# Altium PCB as_x31.PcbDoc (part 1 of 4)
Units mm, origin at the board's own origin, x right, y up, seen from the top; angles counter-clockwise.
Board outline 130 x 100 mm, 6 copper layers (Top Layer, Ground_1, int_1, int_2, Power, Bottom Layer), stack 1.49 mm thick; 411 components, 383 nets, 2547 pads, 1038 vias.
Unrouted connection lines stored in the file: 439.
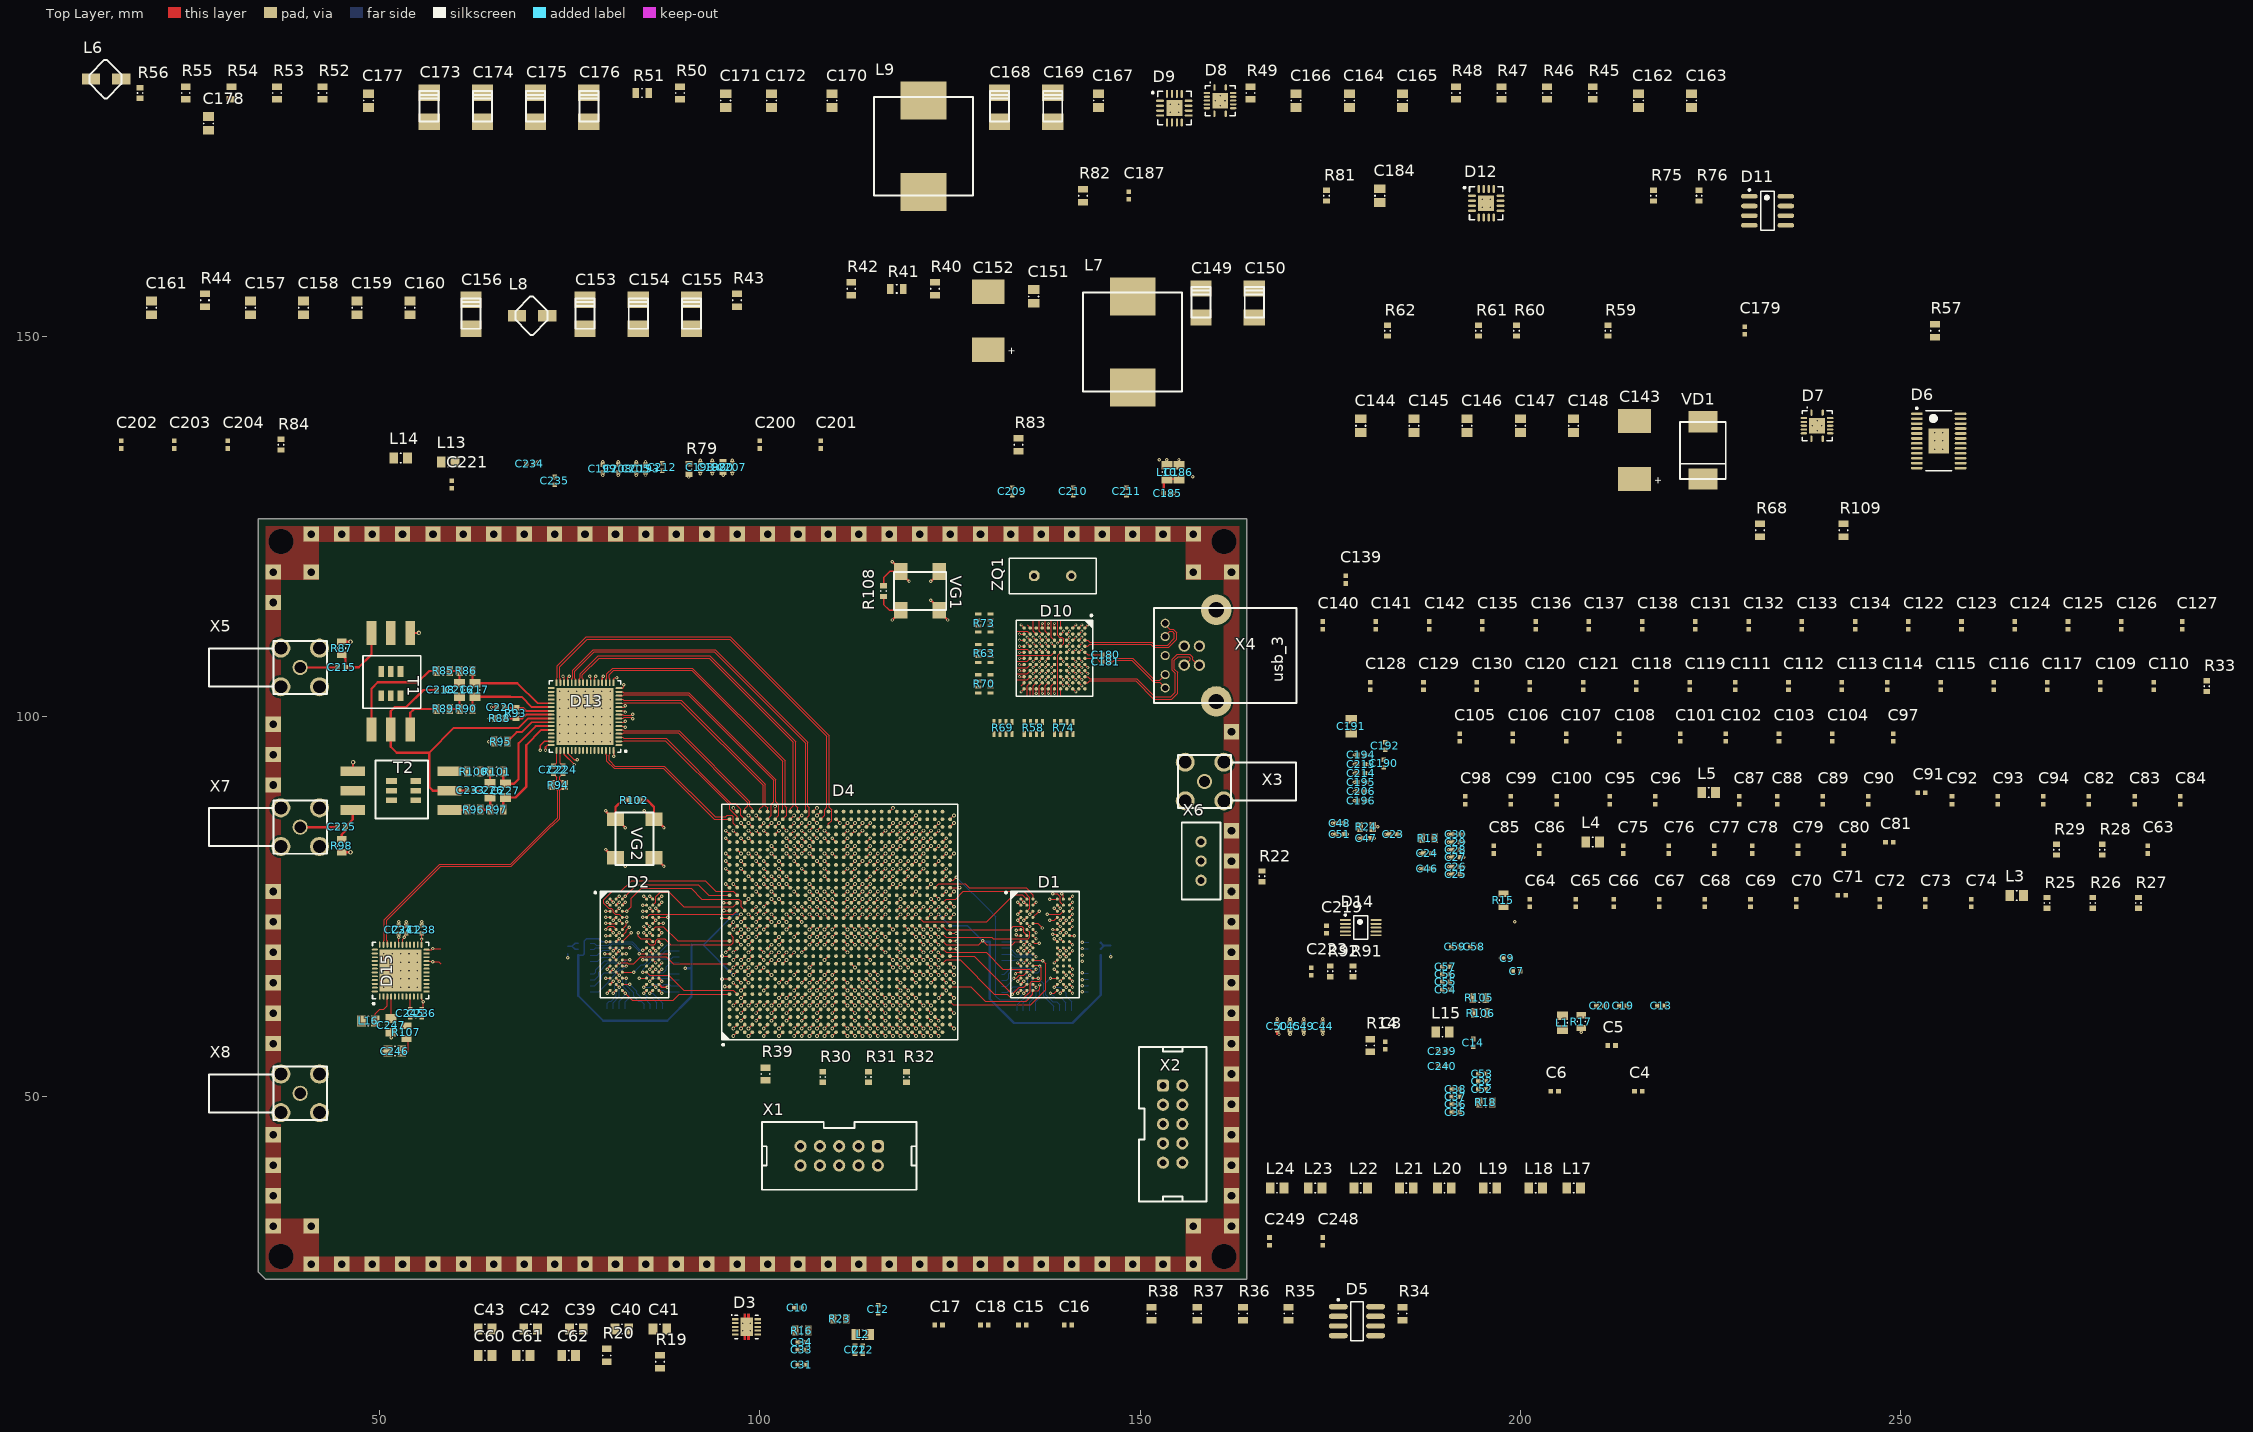
[diagram p0: Top Layer view]
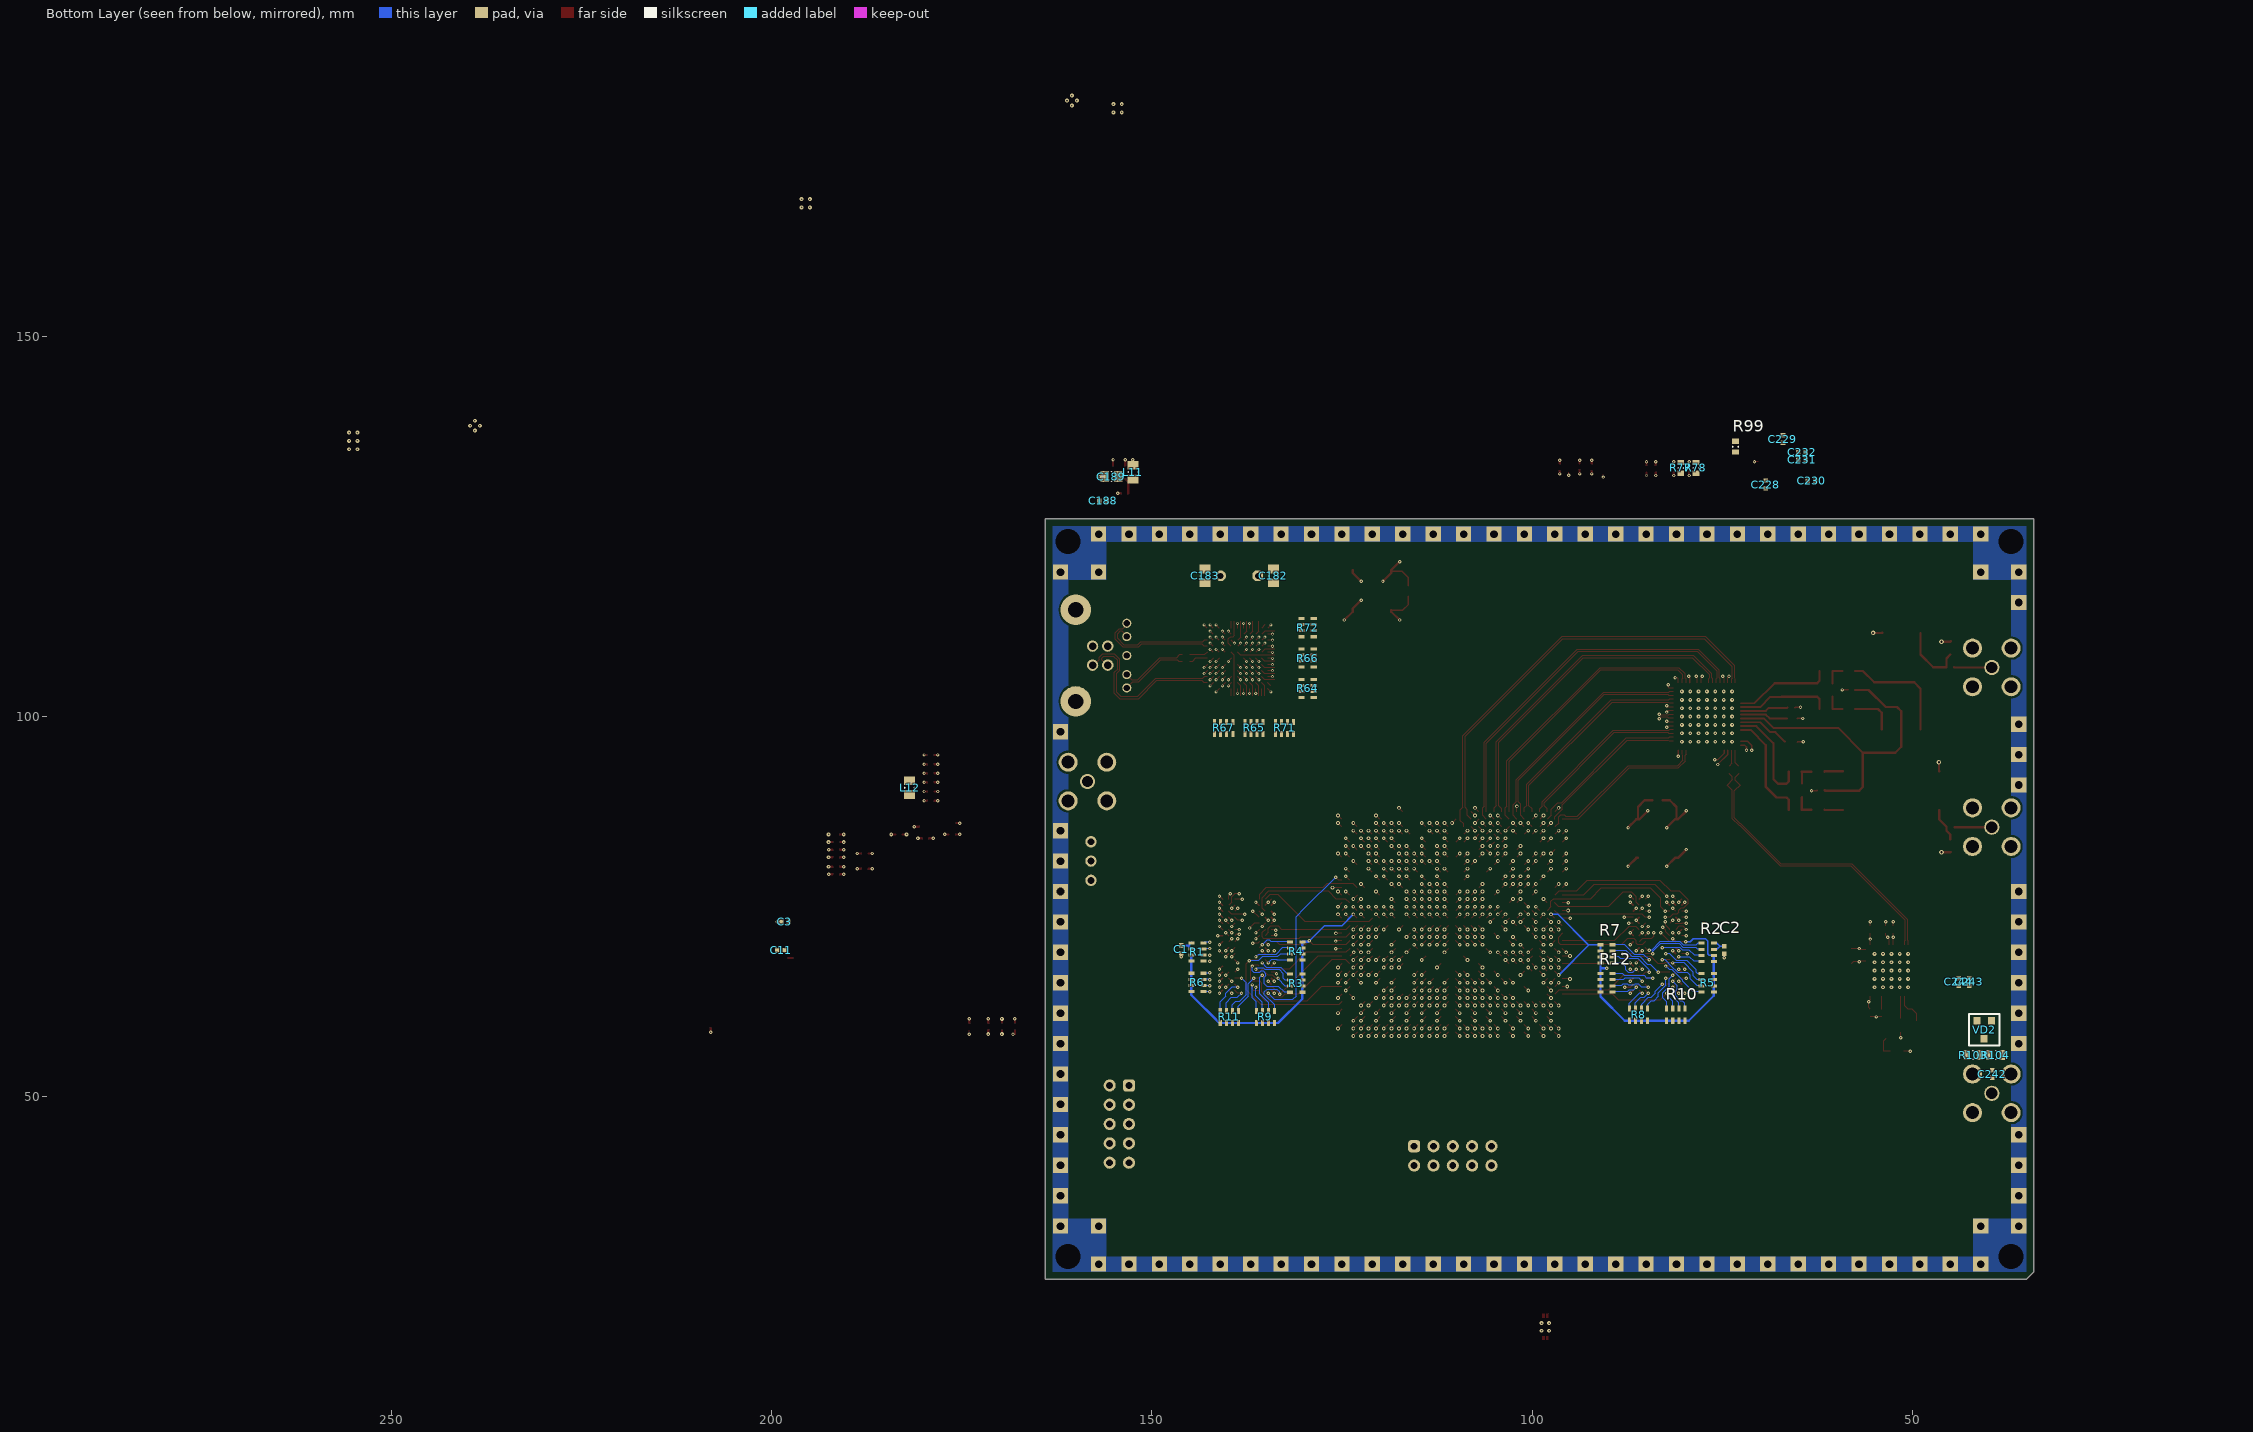
[diagram p1: Bottom Layer view, seen from below]
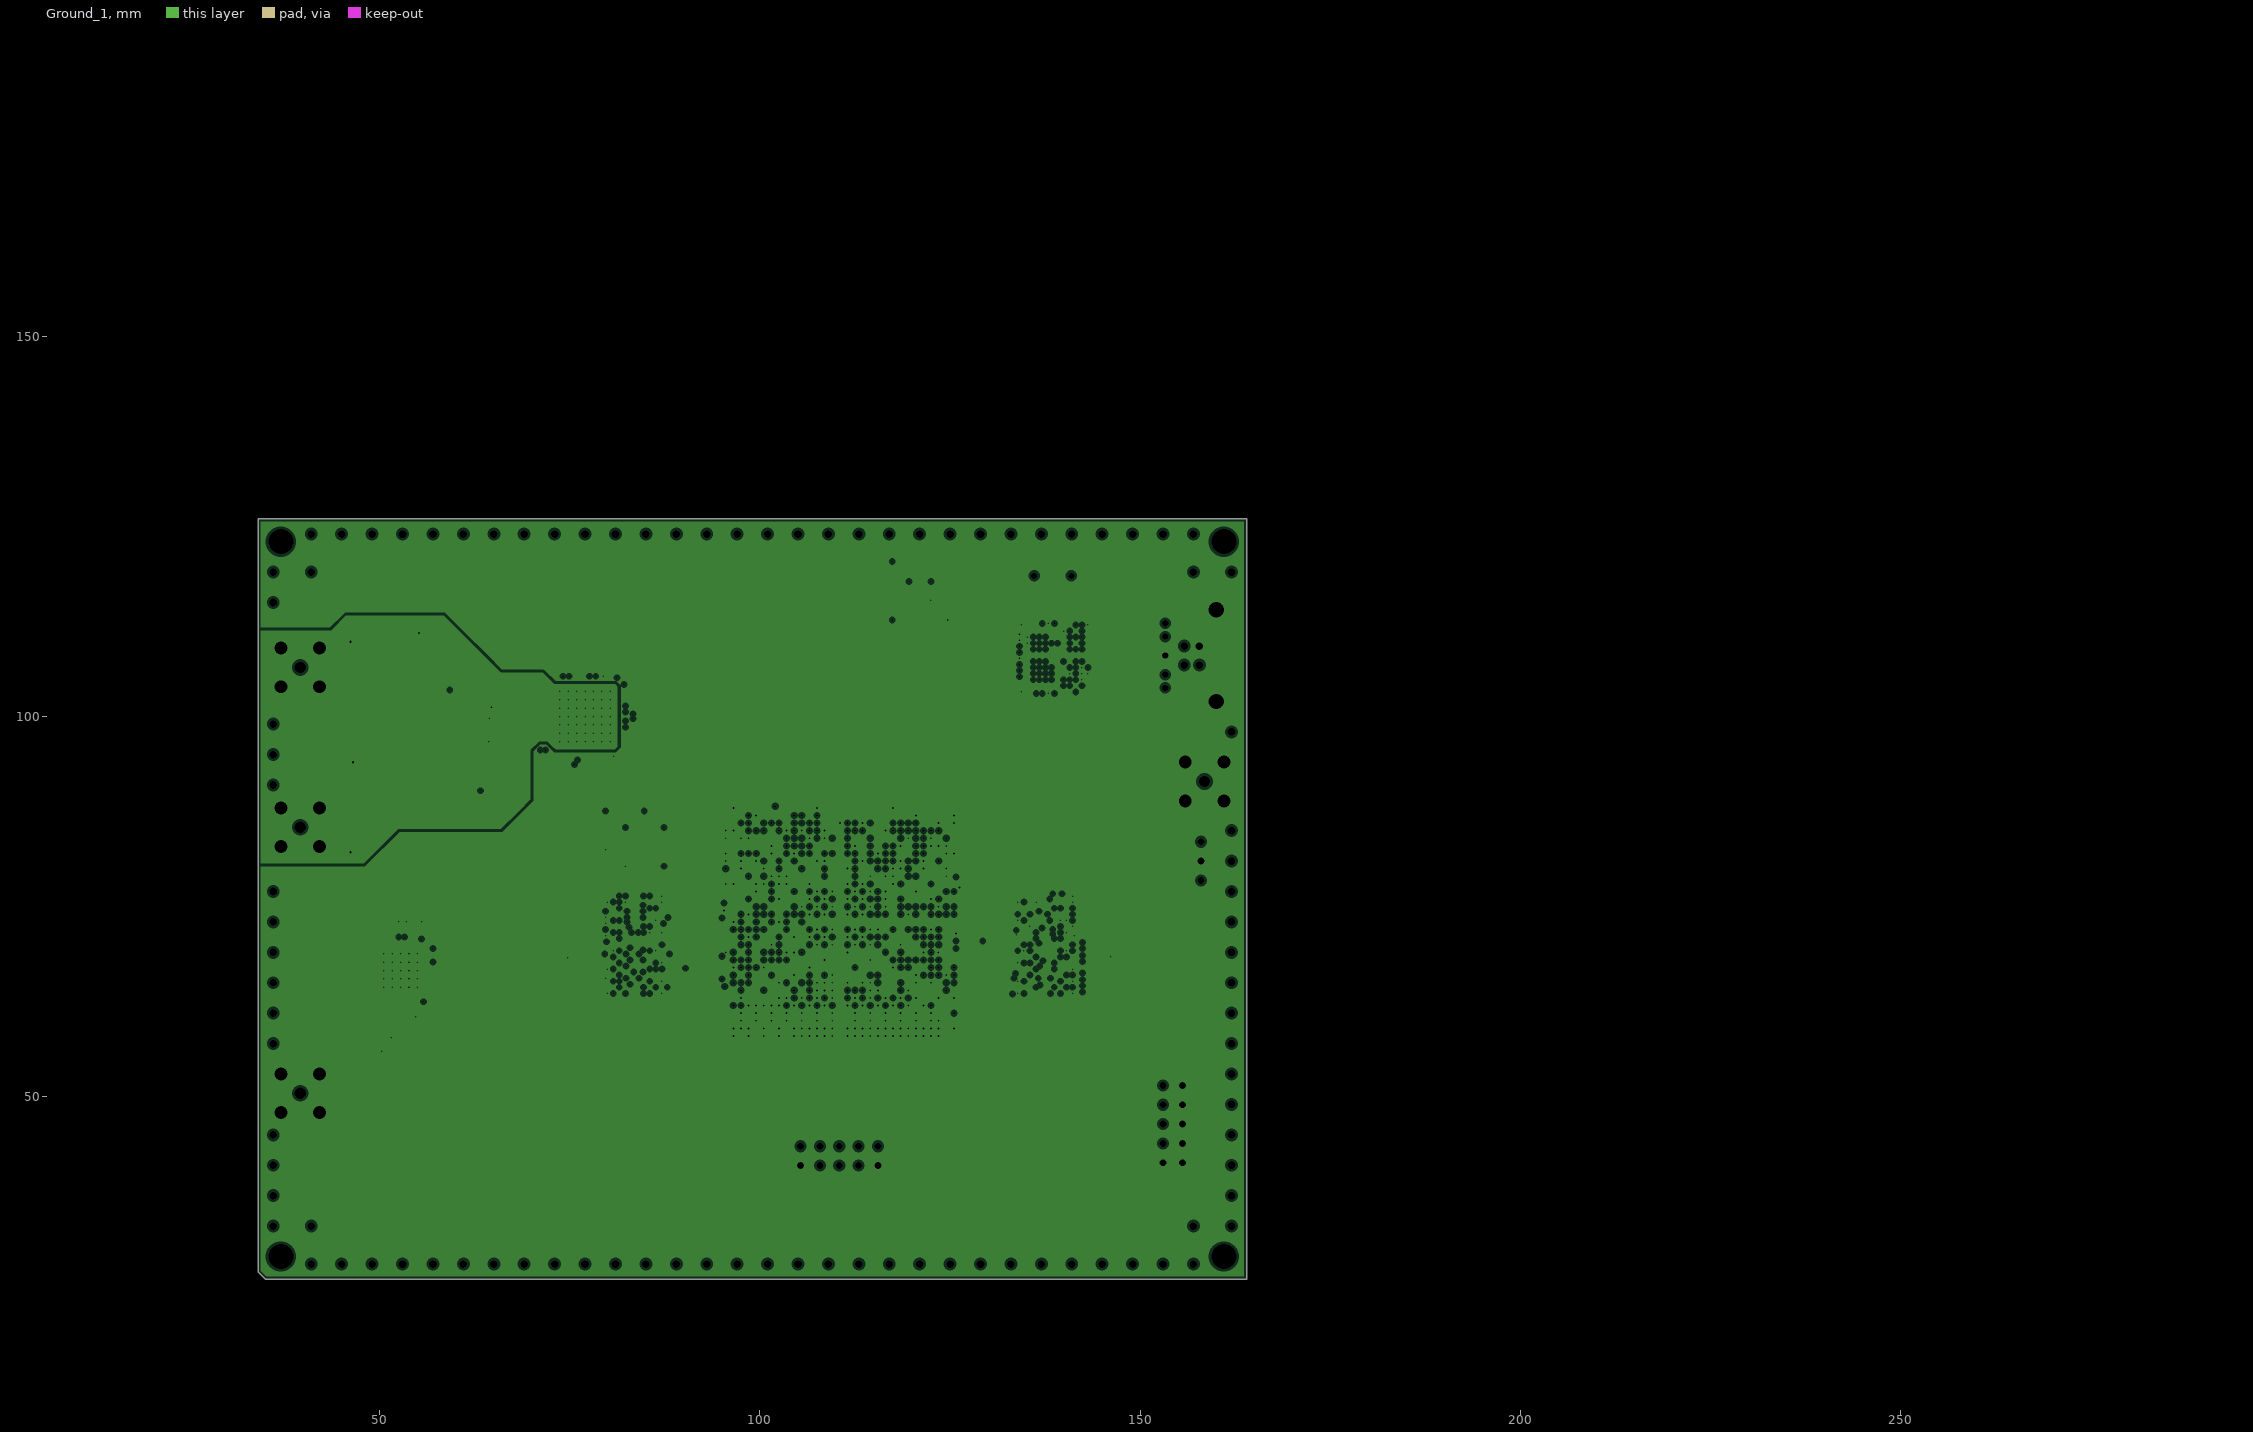
[diagram p2: Ground_1, clearances drawn from the general rule]
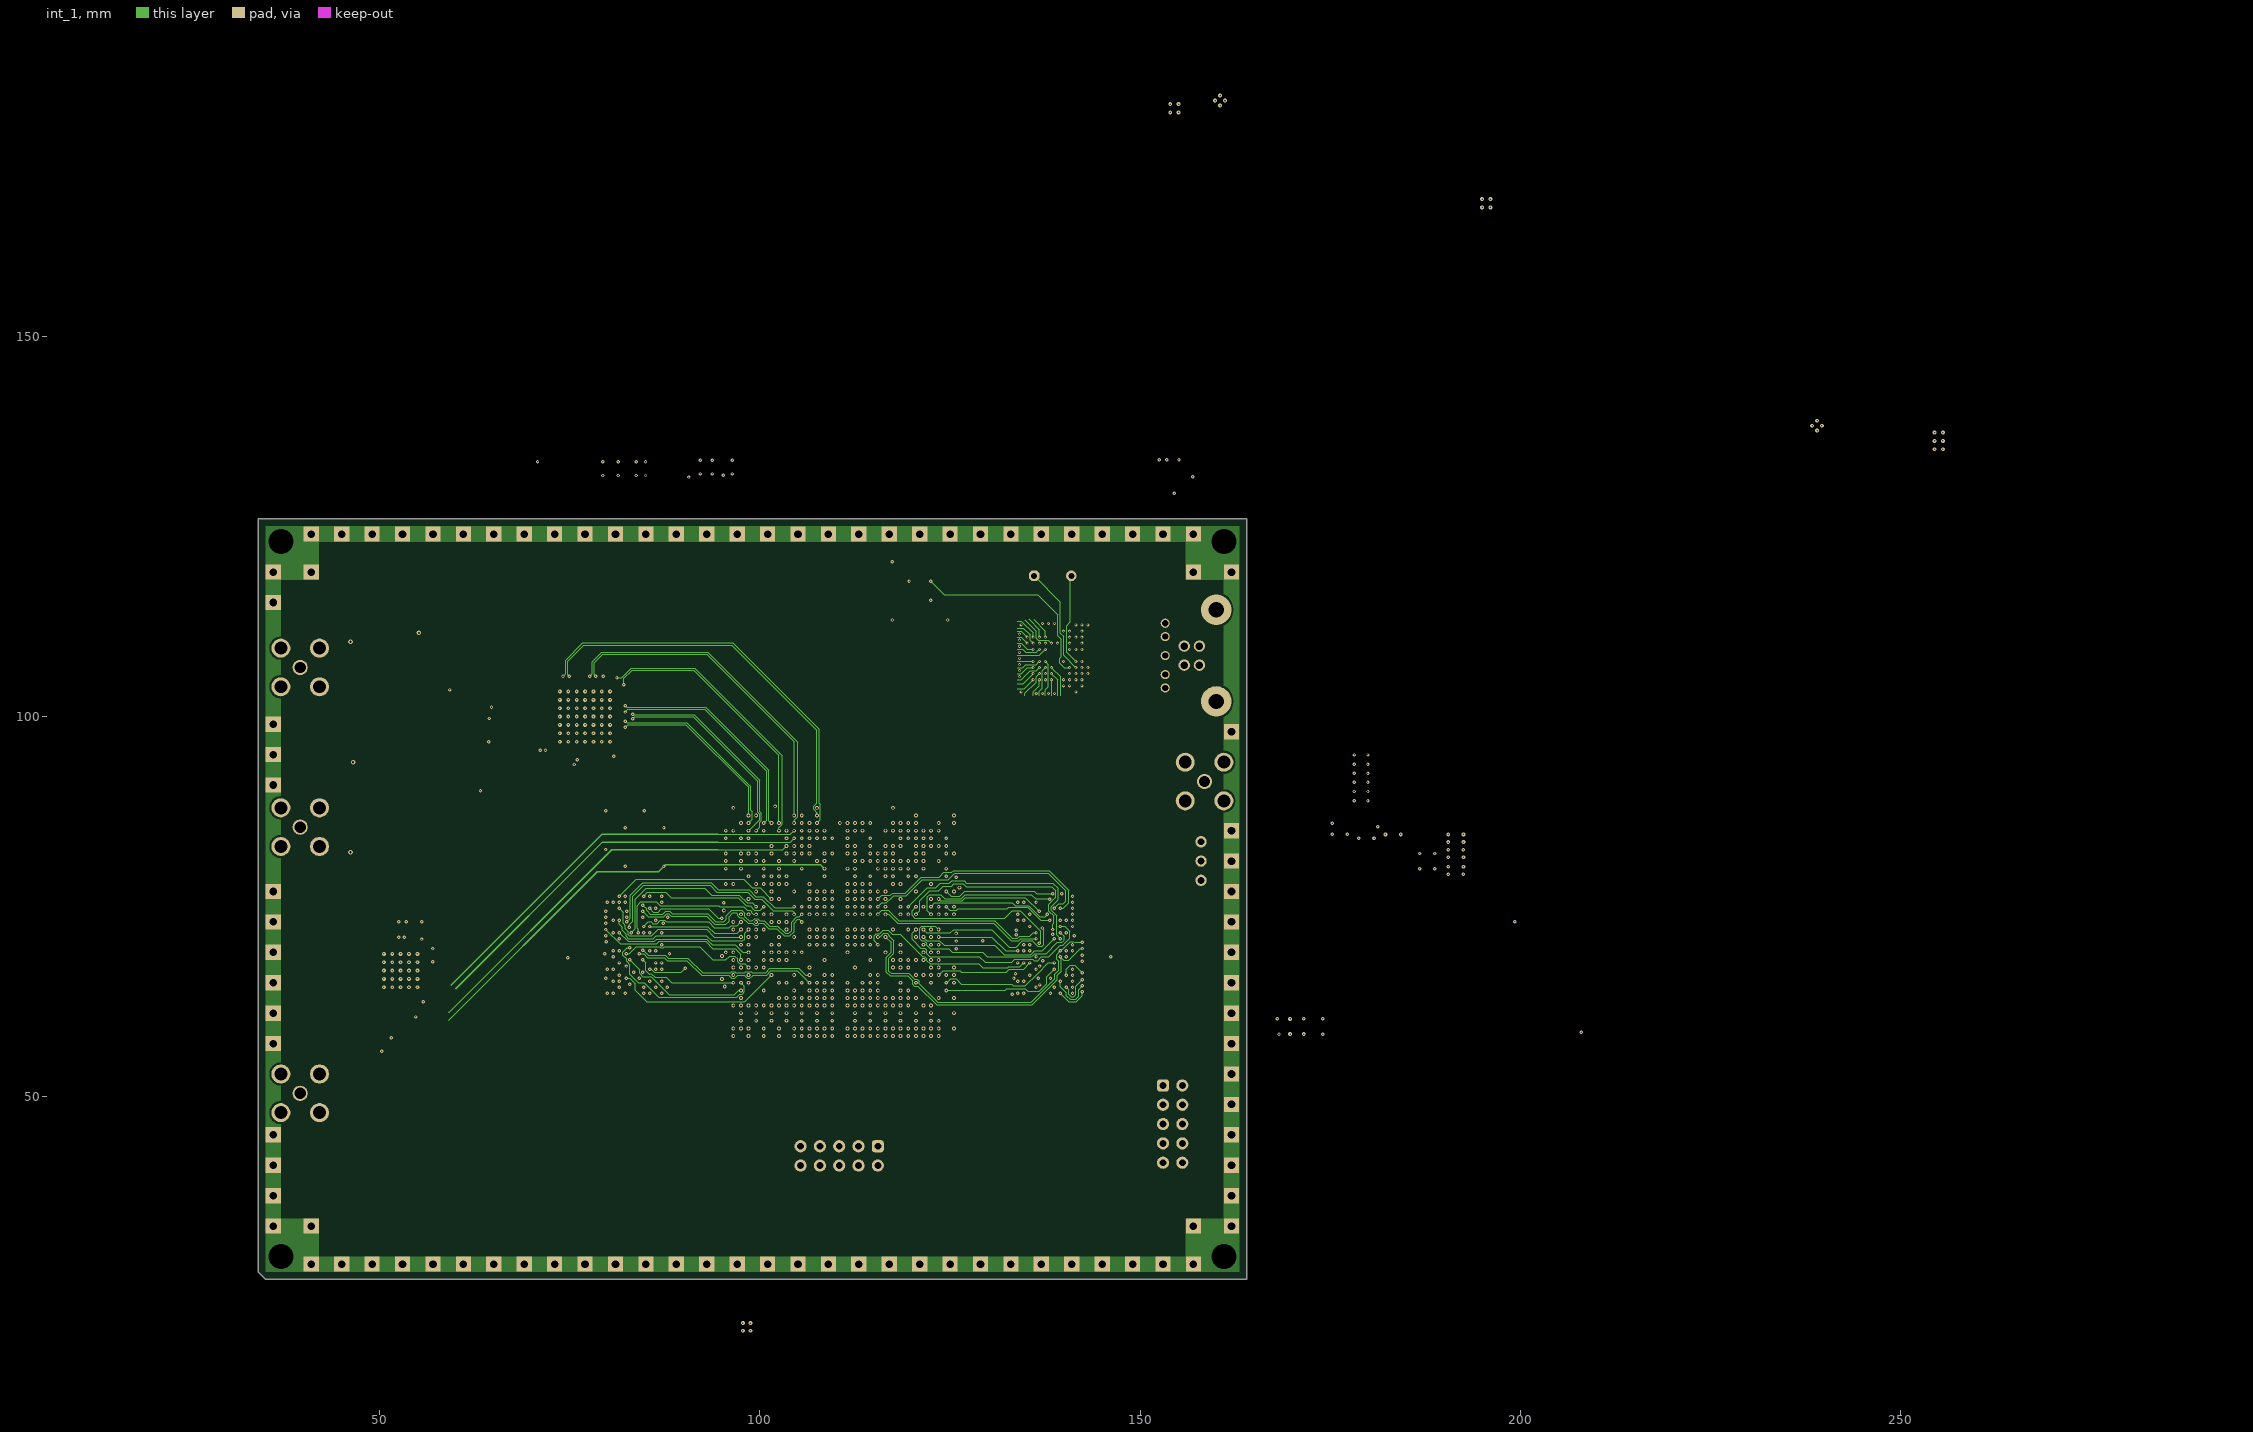
[diagram p3: int_1]